# Altium PCB Apalis-Smart-Vision-Baseboard.PcbDoc (part 2 of 6)
Units mm, origin at the board's own origin, x right, y up, seen from the top; angles counter-clockwise.
Board outline 100 x 70 mm, 4 copper layers (Top Layer, Power Plane, Ground Plane, Bottom Layer), stack 1.52 mm thick; 202 components, 197 nets, 1190 pads, 441 vias.
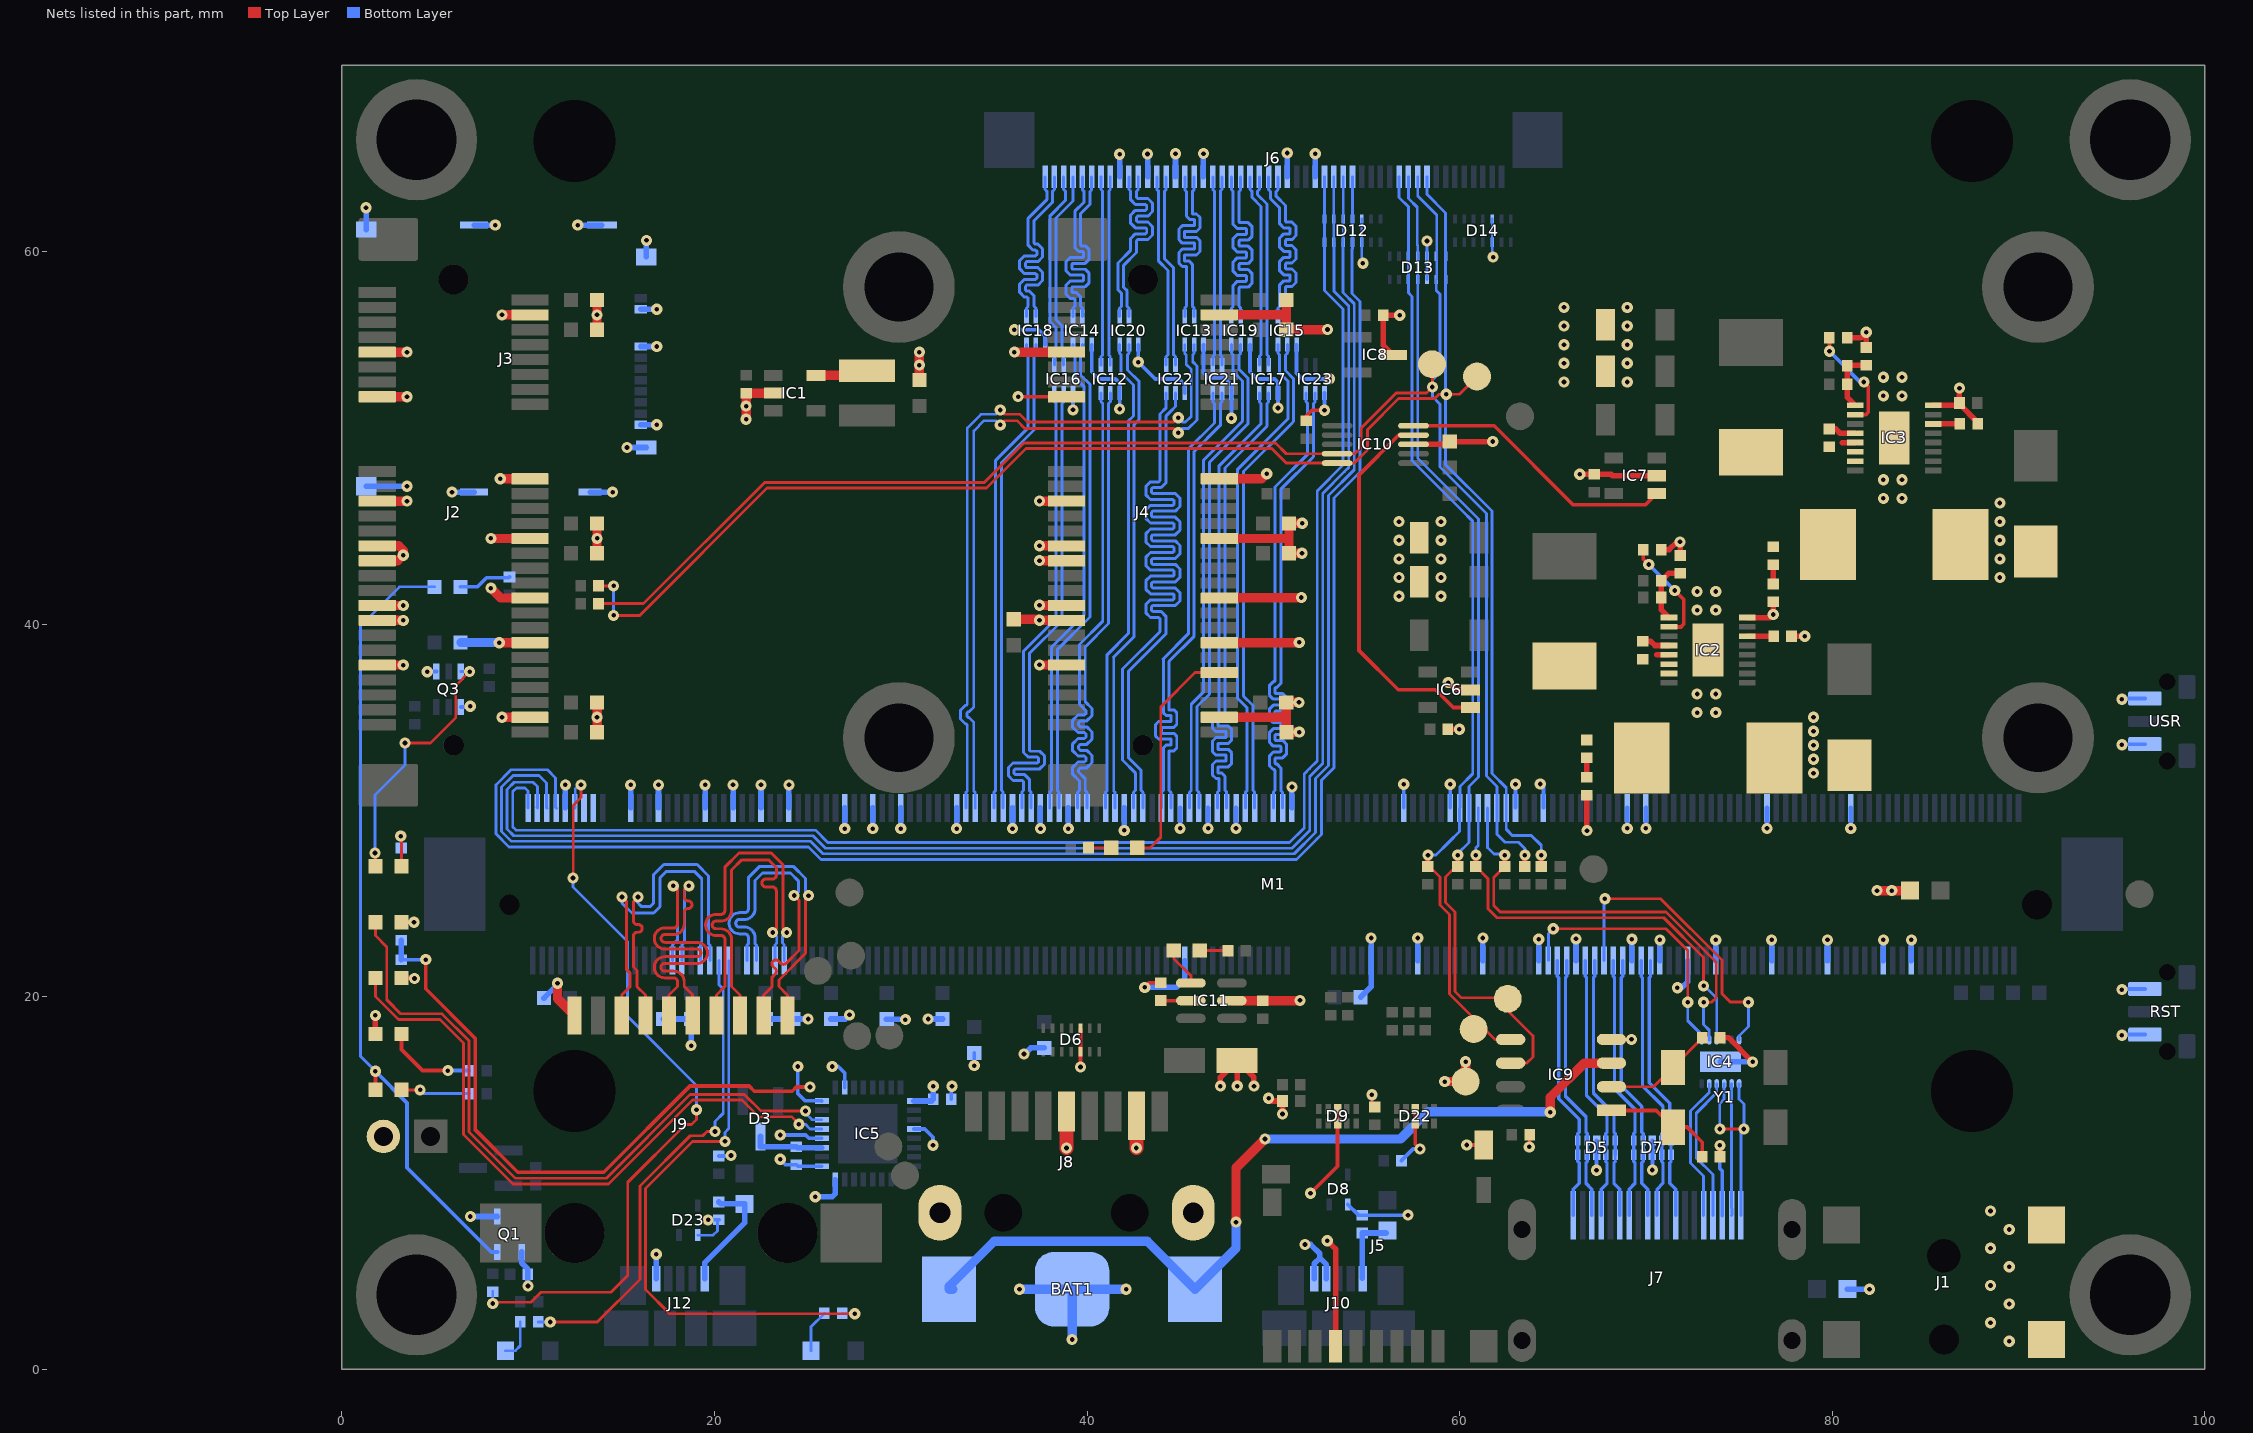
[diagram p4: the nets of this part, all layers, seen from the top]

## Via types
v1: diameter 0.6, hole 0.25, Top Layer to Bottom Layer, tented both sides, 440 vias
v2: diameter 0.6, hole 0.25, Top Layer to Bottom Layer, 1 vias

## Nets (pads, with @x,y where several pads share a name; then routed paths per layer and width w, separated by ;. In a path a pad name is that pad's centre, name@x,y a point inside that pad or via, vN(x,y) a via of type N, cw(c..) or ccw(c..) an arc to the next point about the centre after c; other vN are vias at no path point) (continued)
CSI1_CLK_N: IC23.5 M1.161 | length 26.3
  Bottom Layer w0.16: M1.161@50,30.136 50,30.97 50.095,31.065 50.095,32.154 50.06,32.189 50,32.189 49.783,32.406 49.783,32.913 50,33.129 50.372,33.129 50.407,33.165 50.407,33.414 50.372,33.449 50,33.449 49.783,33.666 49.783,34.173 50,34.389 50.372,34.389 50.407,34.425 50.407,34.674 50.372,34.709 50,34.709 49.783,34.926 49.783,35.433 50,35.649 50.372,35.649 50.407,35.685 50.407,35.934 50.372,35.969 50,35.969 49.783,36.186 49.783,36.693 50,36.909 50.06,36.909 50.095,36.945 50.095,47.365 51.845,49.115 51.845,51.845 51.75,51.94 IC23.5@51.75,52.4
CSI1_CLK_P: IC23.4 M1.163 | length 26.3
  Bottom Layer w0.16: M1.163@50.5,30.136 50.5,30.97 50.405,31.065 50.405,32.283 50.188,32.499 50.128,32.499 50.093,32.535 50.093,32.784 50.128,32.819 50.5,32.819 50.717,33.036 50.717,33.543 50.5,33.759 50.128,33.759 50.093,33.795 50.093,34.044 50.128,34.079 50.5,34.079 50.717,34.296 50.717,34.803 50.5,35.019 50.128,35.019 50.093,35.055 50.093,35.304 50.128,35.339 50.5,35.339 50.717,35.556 50.717,36.063 50.5,36.279 50.128,36.279 50.093,36.315 50.093,36.564 50.128,36.599 50.188,36.599 50.405,36.816 50.405,47.237 52.155,48.987 52.155,51.845 52.25,51.94 IC23.4@52.25,52.4
CSI1_D1_C_N: IC15.1 J6.25 | length 10.3
  Bottom Layer w0.16: J6.25@49.75,64.01 49.75,63.319 49.845,63.224 49.845,62.838 50.345,62.338 50.345,61.485 50.562,61.268 50.872,61.268 50.907,61.233 50.907,60.983 50.872,60.948 50.562,60.948 50.345,60.731 50.345,60.225 50.562,60.008 50.872,60.008 50.907,59.973 50.907,59.723 50.872,59.688 50.562,59.688 50.345,59.471 50.345,58.965 50.562,58.748 50.872,58.748 50.907,58.713 50.907,58.463 50.872,58.428 50.562,58.428 50.345,58.211 50.345,57.064 50.25,56.969 IC15.1@50.25,56.5
CSI1_D1_C_P: IC15.2 J6.26 | length 10.3
  Bottom Layer w0.16: J6.26@50.25,64.01 50.25,63.319 50.155,63.224 50.155,62.966 50.655,62.466 50.655,61.613 50.69,61.578 51,61.578 51.217,61.361 51.217,60.855 51,60.638 50.69,60.638 50.655,60.603 50.655,60.353 50.69,60.318 51,60.318 51.217,60.101 51.217,59.595 51,59.378 50.69,59.378 50.655,59.343 50.655,59.093 50.69,59.058 51,59.058 51.217,58.841 51.217,58.335 51,58.118 50.69,58.118 50.655,58.083 50.655,57.064 50.75,56.969 IC15.2@50.75,56.5
CSI1_D1_N: IC15.5 M1.155 | length 26.4
  Bottom Layer w0.16: M1.155@48.5,30.136 48.5,30.97 48.595,31.065 48.595,35.497 48.09,36.002 48.09,48.315 50.78,51.005 50.78,53.045 50.345,53.48 50.345,54.445 50.25,54.54 IC15.5@50.25,55
CSI1_D1_P: IC15.4 M1.157 | length 26.4
  Bottom Layer w0.16: M1.157@49,30.136 49,30.97 48.905,31.065 48.905,35.625 48.4,36.13 48.4,48.187 51,50.787 51.09,50.877 51.09,53.173 50.655,53.608 50.655,54.445 50.75,54.54 IC15.4@50.75,55
CSI1_D2_C_N: IC17.1 J6.23 | length 10.4
  Bottom Layer w0.16: J6.23@48.75,64.01 48.75,63.33 48.845,63.235 48.845,62.922 49.345,62.422 49.345,54.455 49.25,54.36 IC17.1@49.25,53.9
CSI1_D2_C_P: IC17.2 J6.24 | length 10.4
  Bottom Layer w0.16: J6.24@49.25,64.01 49.25,63.33 49.155,63.235 49.155,63.05 49.655,62.55 49.655,54.455 49.75,54.36 IC17.2@49.75,53.9
CSI1_D2_N: IC17.5 M1.149 | length 26.2
  Bottom Layer w0.16: M1.149@47,30.136 47,30.985 47.095,31.08 47.095,31.703 ; 47.091,31.707 46.918,31.707 46.733,31.892 46.733,32.461 46.918,32.647 47.453,32.647 ; 47.091,35.167 46.918,35.167 46.733,34.981 46.733,34.412 46.918,34.227 47.453,34.227 ; 47.095,35.17 47.095,48.505 49.345,50.755 49.345,51.845 49.25,51.94 IC17.5@49.25,52.4 ; 47.453,32.967 46.918,32.967 46.733,33.152 46.733,33.721 46.918,33.907 47.453,33.907 ; 47.457,32.651 47.457,32.963 ; 47.457,33.91 47.457,34.223
CSI1_D2_P: IC17.4 M1.151 | length 26.2
  Bottom Layer w0.16: 47.043,32.021 47.043,32.333 ; 47.043,33.28 47.043,33.593 ; 47.043,34.54 47.043,34.853 ; 47.047,32.017 47.22,32.017 47.405,31.832 47.405,31.08 47.5,30.985 M1.151@47.5,30.136 ; 47.047,32.337 47.582,32.337 47.767,32.522 47.767,33.091 47.582,33.277 47.047,33.277 ; 47.047,33.597 47.582,33.597 47.767,33.782 47.767,34.351 47.582,34.537 47.047,34.537 ; 47.047,34.857 47.22,34.857 47.405,35.042 47.405,48.377 49.655,50.627 49.655,51.845 49.75,51.94 IC17.4@49.75,52.4
CSI1_D3_C_N: IC19.1 J6.21 | length 11
  Bottom Layer w0.16: IC19.1@47.75,56.5 47.75,56.969 47.845,57.064 47.845,58.182 48.062,58.399 48.522,58.399 48.557,58.434 48.557,58.684 48.522,58.719 48.062,58.719 47.845,58.936 47.845,59.442 48.062,59.659 48.522,59.659 48.557,59.694 48.557,59.944 48.522,59.979 48.062,59.979 47.845,60.196 47.845,60.702 48.062,60.919 48.522,60.919 48.557,60.954 48.557,61.204 48.522,61.239 48.062,61.239 47.845,61.456 47.845,63.224 47.75,63.319 J6.21@47.75,64.01
CSI1_D3_C_P: IC19.2 J6.22 | length 11
  Bottom Layer w0.16: IC19.2@48.25,56.5 48.25,56.969 48.155,57.064 48.155,58.054 48.19,58.089 48.65,58.089 48.867,58.306 48.867,58.812 48.65,59.029 48.19,59.029 48.155,59.064 48.155,59.314 48.19,59.349 48.65,59.349 48.867,59.566 48.867,60.072 48.65,60.289 48.19,60.289 48.155,60.324 48.155,60.574 48.19,60.609 48.65,60.609 48.867,60.826 48.867,61.332 48.65,61.549 48.19,61.549 48.155,61.584 48.155,63.224 48.25,63.319 J6.22@48.25,64.01
CSI1_D3_N: IC19.5 M1.143 | length 26.3
  Bottom Layer w0.16: M1.143@45.5,30.136 45.5,30.97 45.595,31.065 45.595,35.703 46.26,36.368 46.26,48.81 48.34,50.89 48.34,53.051 47.845,53.546 47.845,54.445 47.75,54.54 IC19.5@47.75,55
CSI1_D3_P: IC19.4 M1.145 | length 26.3
  Bottom Layer w0.16: M1.145@46,30.136 46,30.97 45.905,31.065 45.905,35.575 46.57,36.24 46.57,48.682 48.65,50.762 48.65,53.18 48.155,53.675 48.155,54.445 48.25,54.54 IC19.4@48.25,55
CSI1_D4_C_N: IC21.1 J6.19 | length 10.2
  Bottom Layer w0.16: IC21.1@46.75,53.9 46.75,54.36 46.845,54.455 46.845,63.235 46.75,63.33 J6.19@46.75,64.01
CSI1_D4_C_P: IC21.2 J6.20 | length 10.2
  Bottom Layer w0.16: IC21.2@47.25,53.9 47.25,54.36 47.155,54.455 47.155,63.235 47.25,63.33 J6.20@47.25,64.01
CSI1_D4_N: IC21.5 M1.137 | length 25.6
  Bottom Layer w0.16: M1.137@44,30.136 44,30.97 44.095,31.065 44.095,33.356 44.249,33.51 44.507,33.51 44.507,33.83 43.837,33.83 43.683,33.984 43.683,34.616 43.837,34.77 44.507,34.77 44.507,35.09 44.249,35.09 44.095,35.244 44.095,38.123 44.09,38.128 45.44,39.478 45.44,49.395 46.845,50.8 46.845,51.845 46.75,51.94 IC21.5@46.75,52.4
CSI1_D4_P: IC21.4 M1.139 | length 25.6
  Bottom Layer w0.16: M1.139@44.5,30.136 44.5,30.97 44.405,31.065 44.405,33.2 44.663,33.2 44.817,33.354 44.817,33.986 44.663,34.14 43.993,34.14 43.993,34.46 44.663,34.46 44.817,34.614 44.817,35.246 44.663,35.4 44.405,35.4 44.405,38.005 45.75,39.35 45.75,49.267 47.155,50.672 47.155,51.845 47.25,51.94 IC21.4@47.25,52.4
CSI2_CLK_C_N: IC22.1 J6.13 | length 10.4
  Bottom Layer w0.16: J6.13@43.75,64.01 43.75,63.33 43.845,63.235 43.845,59.481 44.345,58.981 44.345,54.455 44.25,54.36 IC22.1@44.25,53.9
CSI2_CLK_C_P: IC22.2 J6.14 | length 10.4
  Bottom Layer w0.16: J6.14@44.25,64.01 44.25,63.33 44.155,63.235 44.155,59.61 44.655,59.11 44.655,54.455 44.75,54.36 IC22.2@44.75,53.9
CSI2_CLK_N: IC22.5 M1.131 | length 38.1
  Bottom Layer w0.16: M1.131@42.5,30.136 42.5,30.97 42.595,31.065 42.595,32.02 41.91,32.705 41.91,37.588 43.917,39.595 43.917,39.963 43.917,40.293 43.85,40.359 43.405,40.359 43.155,40.61 43.155,41.056 43.405,41.306 44.612,41.306 44.679,41.373 44.679,41.56 44.612,41.626 43.405,41.626 43.155,41.876 43.155,42.323 43.405,42.573 44.612,42.573 44.679,42.64 44.679,42.827 44.612,42.893 43.405,42.893 43.155,43.143 43.155,43.59 43.405,43.84 44.612,43.84 44.679,43.906 44.679,44.093 44.612,44.16 43.405,44.16 43.155,44.41 43.155,44.857 43.405,45.107 44.612,45.107 44.679,45.173 44.679,45.36 44.612,45.427 43.405,45.427 43.155,45.677 43.155,46.123 43.405,46.373 44.612,46.373 44.679,46.44 44.679,46.627 44.612,46.693 43.405,46.693 43.155,46.944 43.155,47.39 43.405,47.64 43.85,47.64 43.917,47.707 43.917,51.28 44.25,51.613 IC22.5@44.25,52.4
CSI2_CLK_P: IC22.4 M1.133 | length 38.2
  Bottom Layer w0.16: M1.133@43,30.136 43,30.97 42.905,31.065 42.905,32.148 42.22,32.833 42.22,37.46 44.23,39.47 44.23,39.878 44.23,39.963 44.23,40.423 43.98,40.673 43.535,40.673 43.468,40.739 43.468,40.926 43.535,40.993 44.742,40.993 44.992,41.243 44.992,41.69 44.742,41.94 43.535,41.94 43.468,42.006 43.468,42.193 43.535,42.26 44.742,42.26 44.992,42.51 44.992,42.956 44.742,43.206 43.535,43.206 43.468,43.273 43.468,43.46 43.535,43.526 44.742,43.526 44.992,43.777 44.992,44.223 44.742,44.473 43.535,44.473 43.468,44.54 43.468,44.727 43.535,44.793 44.742,44.793 44.992,45.043 44.992,45.49 44.742,45.74 43.535,45.74 43.468,45.807 43.468,45.994 43.535,46.06 44.742,46.06 44.992,46.31 44.992,46.757 44.742,47.007 43.535,47.007 43.468,47.073 43.468,47.26 43.535,47.327 43.98,47.327 44.23,47.577 44.23,51.155 44.469,51.394 44.75,51.675 IC22.4@44.75,52.4
CSI2_D1_C_N: IC13.1 J6.16 | length 10.3
  Bottom Layer w0.16: IC13.1@45.25,56.5 45.25,56.969 45.345,57.064 45.345,59.186 ; J6.16@45.25,64.01 45.25,63.319 45.345,63.224 45.345,61.895 45.53,61.71 45.753,61.71 ; 45.341,59.19 45.118,59.19 44.933,59.375 44.933,59.944 45.118,60.13 45.753,60.13 ; 45.753,60.45 45.118,60.45 44.933,60.635 44.933,61.204 45.118,61.39 45.753,61.39 ; 45.757,60.133 45.757,60.446 ; 45.757,61.393 45.757,61.706
CSI2_D1_C_P: IC13.2 J6.17 | length 10.3
  Bottom Layer w0.16: 45.243,59.503 45.243,59.816 ; 45.243,60.763 45.243,61.076 ; 45.247,59.5 45.47,59.5 45.655,59.314 45.655,57.064 45.75,56.969 IC13.2@45.75,56.5 ; 45.247,59.82 45.882,59.82 46.067,60.005 46.067,60.574 45.882,60.76 45.247,60.76 ; 45.247,61.08 45.882,61.08 46.067,61.265 46.067,61.834 45.882,62.02 45.659,62.02 ; 45.655,62.023 45.655,63.224 45.75,63.319 J6.17@45.75,64.01
CSI2_D1_N: IC13.5 M1.95 | length 38.1
  Top Layer w0.15: v1(35.34,51.495) 35.565,51.27 36.385,51.27 36.805,50.85 44.44,50.85 ; 44.06,50.85 44.675,50.85 v1(44.9,51.075)
  Bottom Layer w0.15: M1.95@33.5,30.136 33.5,30.97 33.575,31.045 33.575,34.583 33.515,34.643 33.478,34.643 33.213,34.908 33.213,35.378 33.478,35.643 33.515,35.643 33.575,35.703 33.575,50.52 34.223,51.167 34.325,51.27 35.115,51.27 v1(35.34,51.495) ; v1(44.9,51.075) 44.9,51.05 45.1,50.85 45.29,50.85 45.6,51.16 45.6,53.66 45.325,53.935 45.325,54.455 45.25,54.53 IC13.5@45.25,55
CSI2_D1_P: IC13.4 M1.97 | length 38.1
  Top Layer w0.15: v1(35.34,50.695) 35.565,50.92 36.24,50.92 36.66,50.5 44.4,50.5 ; 44.06,50.5 44.675,50.5 v1(44.9,50.275)
  Bottom Layer w0.15: M1.97@34,30.136 34,30.97 33.925,31.045 33.925,34.728 33.66,34.993 33.623,34.993 33.563,35.053 33.563,35.233 33.623,35.293 33.66,35.293 33.925,35.558 33.925,50.375 34.47,50.92 35.115,50.92 v1(35.34,50.695) ; v1(44.9,50.275) 44.9,50.3 45.1,50.5 45.435,50.5 45.9,50.965 45.9,53.855 45.675,54.08 45.675,54.455 45.75,54.53 IC13.4@45.75,55
CSI3_CLK_C_N: IC20.1 J6.10 | length 10.7
  Bottom Layer w0.16: IC20.1@41.75,56.5 41.75,56.96 41.845,57.055 41.845,57.76 41.66,57.945 41.66,59.388 42.345,60.073 42.345,60.701 42.593,60.95 43.14,60.95 43.207,61.016 43.207,61.203 43.14,61.27 42.593,61.27 42.345,61.518 42.345,61.961 42.593,62.21 43.14,62.21 43.207,62.276 43.207,62.463 43.14,62.53 42.593,62.53 42.345,62.778 42.345,63.235 42.25,63.33 J6.10@42.25,64.01
CSI3_CLK_C_P: IC20.2 J6.11 | length 10.7
  Bottom Layer w0.16: IC20.2@42.25,56.5 42.25,56.96 42.155,57.055 42.155,57.888 41.97,58.073 41.97,59.26 42.655,59.945 42.655,60.573 42.722,60.64 43.269,60.64 43.517,60.888 43.517,61.331 43.269,61.58 42.722,61.58 42.655,61.646 42.655,61.833 42.722,61.9 43.269,61.9 43.517,62.148 43.517,62.591 43.269,62.84 42.722,62.84 42.655,62.906 42.655,63.235 42.75,63.33 J6.11@42.75,64.01
CSI3_CLK_N: IC20.5 M1.125 | length 25.8
  Bottom Layer w0.15: M1.125@41,30.136 41,30.97 41.08,31.05 41.08,38.36
  Bottom Layer w0.16: 41.08,38.36 42.22,39.5 42.22,50.9 42.49,51.17 42.49,52.833 41.825,53.498 41.825,54.465 41.75,54.54 IC20.5@41.75,55
CSI3_CLK_P: IC20.4 M1.127 | length 25.8
  Bottom Layer w0.15: 41.43,38.232 41.43,31.04 41.5,30.97 M1.127@41.5,30.136
  Bottom Layer w0.16: 41.43,38.232 42.53,39.332 42.53,50.715 42.8,50.985 42.8,53.02 42.175,53.645 42.175,54.465 42.25,54.54 IC20.4@42.25,55
CSI3_D1_C_N: IC12.1 J6.7 | length 10.2
  Bottom Layer w0.15: IC12.1@40.75,53.9 40.75,54.355 40.825,54.43 40.825,58.7 ; J6.7@40.75,64.01 40.75,63.33 40.825,63.255 40.825,62.79
  Bottom Layer w0.16: 40.825,58.7 40.825,62.79
CSI3_D1_C_P: IC12.2 J6.8 | length 10.2
  Bottom Layer w0.15: 41.175,58.7 41.175,54.43 41.25,54.355 IC12.2@41.25,53.9 ; 41.175,63.02 41.175,63.255 41.25,63.33 J6.8@41.25,64.01
  Bottom Layer w0.16: 41.175,58.7 41.175,63.02
CSI3_D1_N: IC12.5 M1.119 | length 25.7
  Bottom Layer w0.16: M1.119@39.5,30.136 39.5,30.97 39.595,31.065 39.595,31.574 39.233,31.936 39.233,32.316 39.513,32.596 39.859,32.596 39.957,32.694 39.957,32.818 39.859,32.916 39.513,32.916 39.233,33.196 39.233,33.576 39.513,33.856 39.859,33.856 39.957,33.954 39.957,34.078 39.859,34.176 39.513,34.176 39.233,34.456 39.233,34.836 39.513,35.116 39.859,35.116 39.957,35.214 39.957,35.338 39.595,35.7 39.595,38.905 40.845,40.155 40.845,51.845 40.75,51.94 IC12.5@40.75,52.4
CSI3_D1_P: IC12.4 M1.121 | length 25.7
  Bottom Layer w0.16: M1.121@40,30.136 40,30.97 39.905,31.065 39.905,31.702 39.543,32.064 39.543,32.188 39.641,32.286 39.987,32.286 40.267,32.566 40.267,32.946 39.987,33.226 39.641,33.226 39.543,33.324 39.543,33.448 39.641,33.546 39.987,33.546 40.267,33.826 40.267,34.206 39.987,34.486 39.641,34.486 39.543,34.584 39.543,34.708 39.641,34.806 39.987,34.806 40.267,35.086 40.267,35.466 39.905,35.828 39.905,38.777 41.155,40.027 41.155,51.845 41.25,51.94 IC12.4@41.25,52.4
CSI3_D2_C_N: IC14.1 J6.5 | length 10.8
  Bottom Layer w0.16: IC14.1@39.25,56.5 39.25,56.969 39.345,57.064 39.345,57.444 39.31,57.479 39.1,57.479 38.883,57.696 38.883,58.202 39.1,58.419 39.772,58.419 39.807,58.454 39.807,58.704 39.772,58.739 39.1,58.739 38.883,58.956 38.883,59.462 39.1,59.679 39.772,59.679 39.807,59.714 39.807,59.964 39.772,59.999 39.562,59.999 39.345,60.216 39.345,62.16 39.845,62.66 39.845,63.224 39.75,63.319 J6.5@39.75,64.01
CSI3_D2_C_P: IC14.2 J6.6 | length 10.8
  Bottom Layer w0.16: IC14.2@39.75,56.5 39.75,56.969 39.655,57.064 39.655,57.572 39.438,57.789 39.228,57.789 39.193,57.824 39.193,58.074 39.228,58.109 39.9,58.109 40.117,58.326 40.117,58.832 39.9,59.049 39.228,59.049 39.193,59.084 39.193,59.334 39.228,59.369 39.9,59.369 40.117,59.586 40.117,60.092 39.9,60.309 39.69,60.309 39.655,60.344 39.655,62.032 40.155,62.532 40.155,63.224 40.25,63.319 J6.6@40.25,64.01
CSI3_D2_N: IC14.5 M1.113 | length 25.9
  Bottom Layer w0.16: M1.113@38,30.136 38,30.97 38.095,31.065 38.095,38.755 39.851,40.511 39.851,52.741 39.345,53.247 39.345,54.445 39.25,54.54 IC14.5@39.25,55
CSI3_D2_P: IC14.4 M1.115 | length 25.9
  Bottom Layer w0.16: M1.115@38.5,30.136 38.5,30.97 38.405,31.065 38.405,38.627 40.161,40.382 40.161,52.869 39.655,53.375 39.655,54.445 39.75,54.54 IC14.4@39.75,55
CSI3_D3_C_N: IC16.1 J6.3 | length 10.7
  Bottom Layer w0.16: IC16.1@38.25,53.9 38.25,54.36 38.345,54.455 38.345,55.889 38.02,56.214 38.02,61.925 38.845,62.75 38.845,63.235 38.75,63.33 J6.3@38.75,64.01
CSI3_D3_C_P: IC16.2 J6.4 | length 10.7
  Bottom Layer w0.16: IC16.2@38.75,53.9 38.75,54.36 38.655,54.455 38.655,56.017 38.33,56.342 38.33,61.797 39.25,62.717 J6.4@39.25,64.01
CSI3_D3_N: IC16.5 M1.107 | length 25.8
  Bottom Layer w0.16: M1.107@36.5,30.136 36.5,30.97 36.595,31.065 36.595,31.538 36.528,31.605 36.031,31.605 35.783,31.853 35.783,32.297 36.031,32.545 37.34,32.545 37.407,32.612 37.407,32.798 37.34,32.865 36.843,32.865 36.595,33.113 36.595,38.545 38.345,40.295 38.345,51.845 38.25,51.94 IC16.5@38.25,52.4
CSI3_D3_P: IC16.4 M1.109 | length 25.8
  Bottom Layer w0.16: M1.109@37,30.136 37,30.97 36.905,31.065 36.905,31.667 36.657,31.915 36.16,31.915 36.093,31.982 36.093,32.168 36.16,32.235 37.469,32.235 37.717,32.483 37.717,32.927 37.469,33.175 36.972,33.175 36.905,33.242 36.905,38.417 38.655,40.167 38.655,51.845 38.75,51.94 IC16.4@38.75,52.4
CSI3_D4_C_N: IC18.1 J6.1 | length 10.8
  Bottom Layer w0.16: IC18.1@36.75,56.5 36.75,56.969 36.845,57.064 36.845,57.497 36.778,57.564 36.631,57.564 36.383,57.812 36.383,58.256 36.631,58.504 37.24,58.504 37.307,58.571 37.307,58.757 37.24,58.824 36.631,58.824 36.383,59.072 36.383,59.516 36.631,59.764 37.24,59.764 37.307,59.831 37.307,60.017 37.24,60.084 37.093,60.084 36.845,60.332 36.845,61.785 37.845,62.785 37.845,63.235 37.75,63.33 J6.1@37.75,64.01
CSI3_D4_C_P: IC18.2 J6.2 | length 10.8
  Bottom Layer w0.16: IC18.2@37.25,56.5 37.25,56.969 37.155,57.064 37.155,57.626 36.907,57.874 36.76,57.874 36.693,57.941 36.693,58.127 36.76,58.194 37.369,58.194 37.617,58.442 37.617,58.886 37.369,59.134 36.76,59.134 36.693,59.201 36.693,59.387 36.76,59.454 37.369,59.454 37.617,59.702 37.617,60.146 37.369,60.394 37.222,60.394 37.155,60.461 37.155,61.657 38.155,62.657 38.155,63.235 38.25,63.33 J6.2@38.25,64.01
CSI3_D4_N: IC18.5 M1.101 | length 25.7
  Bottom Layer w0.16: M1.101@35,30.136 35,30.97 35.095,31.065 35.095,48.795 36.845,50.545 36.845,54.445 36.75,54.54 IC18.5@36.75,55
CSI3_D4_P: IC18.4 M1.103 | length 25.7
  Bottom Layer w0.16: M1.103@35.5,30.136 35.5,30.97 35.405,31.065 35.405,48.667 37.155,50.417 37.155,54.445 37.25,54.54 IC18.4@37.25,55
DDC_SCL: IC4.11 J7.15 | length 7.8
  Bottom Layer w0.15: J7.15@73.1,8.26 73.1,10.37 72.4,11.07 72.4,13.867 73.4,14.867 IC4.11@73.4,15.325
DDC_SDA: IC4.10 J7.16 | length 7.9
  Bottom Layer w0.15: J7.16@73.6,8.26 73.6,10.45 72.7,11.35 72.7,13.742 73.8,14.842 IC4.10@73.8,15.325
ETH_ACT: M1.42 R27.2 | length 25.8
  Top Layer w0.152: v1@11.46,2.54 13.71,2.54 15.998,4.828 15.998,9.834 18.7,12.536 19.376,12.536 19.6,12.76 v1(20.03,12.76)
  Bottom Layer w0.152: R27.2@10.54,2.54 v1(11.185,2.54) ; v1(20.03,12.76) 20.03,13.3 20.47,13.74 20.47,20.42 20.25,20.64 M1.42@20.25,21.936
ETH_LNK: M1.44 R26.2 | length 32.9
  Top Layer w0.152: 19.194,12.234 18.825,12.234 16.3,9.709 16.3,4.28 17.6,2.98 v1(27.53,2.98) ; 19.226,12.234 v1(20.57,12.234)
  Bottom Layer w0.152: v1(20.57,12.234) 20.57,12.717 20.773,12.92 M1.44@20.773,21.913 ; R26.2@26.865,3 26.885,2.98 v1(27.53,2.98)
ETH_MDI0_N: J9.1 M1.48 | length 17.8
  Top Layer w0.16: J9.1@23.915,18.99 23.915,20.09 23.46,20.545 23.46,20.9 24.893,22.333 24.893,25.267 v1(25.051,25.425)
  Bottom Layer w0.16: M1.48@21.75,21.936 21.75,22.77 21.82,22.84 21.82,23.168 ccw(c21.613,23.168) 21.613,23.375 21.347,23.375 cw(c21.347,23.942) 21.347,24.509 21.613,24.509 ccw(c21.613,24.716) 21.82,24.716 21.82,26.389 22.431,27 24.229,27 24.885,26.344 24.885,25.591 v1(25.051,25.425)
ETH_MDI0_P: J9.2 M1.50 | length 17.8
  Top Layer w0.16: J9.2@22.645,18.99 22.645,20.09 23.1,20.545 23.1,21.049 23.265,21.215 ccw(c23.119,21.361) 23.265,21.507 23.148,21.625 cw(c23.294,21.771) 23.148,21.917 cw(c23.294,21.771) 23.441,21.917 23.558,21.8 ccw(c23.704,21.946) 23.851,21.8 24.533,22.483 24.533,25.177 v1(24.28,25.43)
  Bottom Layer w0.152: v1@24.301,25.425 24.525,25.649
  Bottom Layer w0.16: M1.50@22.25,21.936 22.25,22.77 22.18,22.84 22.18,23.168 ccw(c21.613,23.168) 21.613,23.735 21.347,23.735 cw(c21.347,23.942) 21.347,24.149 21.613,24.149 ccw(c21.613,24.716) 22.18,24.716 22.18,26.24 22.58,26.64 24.08,26.64 24.525,26.195 24.525,25.675 v1(24.28,25.43)
ETH_MDI1_N: J9.3 M1.54 | length 18.3
  Top Layer w0.16: J9.3@21.375,18.99 21.375,20.09 20.92,20.545 20.92,23.08 ccw(c20.353,23.08) 20.353,23.647 20.087,23.647 cw(c20.087,23.854) 20.087,24.061 20.353,24.061 ccw(c20.353,24.628) 20.92,24.628 20.92,26.8 21.47,27.35 22.67,27.35 22.877,27.35 22.9,27.35 23.32,26.93 23.32,26.723 23.32,26.516 cw(c23.113,26.516) 23.113,26.309 22.753,26.309 ccw(c22.753,26.102) 22.546,26.102 ccw(c22.753,26.102) 22.753,25.895 23.113,25.895 cw(c23.113,25.688) 23.32,25.688 23.32,25.37 23.32,23.645 v1(23.125,23.45)
  Bottom Layer w0.152: M1.54@23.25,21.936 23.25,22.778 23.349,22.877 23.349,23.244
ETH_MDI1_P: J9.4 M1.56 | length 18.3
  Top Layer w0.16: J9.4@20.105,18.99 20.105,20.09 20.56,20.545 20.56,23.08 ccw(c20.353,23.08) 20.353,23.287 20.087,23.287 cw(c20.087,23.854) 20.087,24.421 20.353,24.421 ccw(c20.353,24.628) 20.56,24.628 20.56,26.949 21.321,27.71 23.049,27.71 23.505,27.254 23.68,27.079 23.68,25.63 23.68,23.645 v1(23.875,23.45)
  Bottom Layer w0.152: 23.651,23.244 23.651,22.877 23.75,22.778 M1.56@23.75,21.936
ETH_MDI2_N: J9.5 M1.34 | length 18
  Top Layer w0.16: v1@18.59,25.95 18.38,25.74 18.38,25.57 18.38,25.352 ccw(c18.587,25.352) 18.587,25.145 cw(c18.587,24.938) 18.794,24.938 cw(c18.587,24.938) 18.587,24.731 ccw(c18.587,24.524) 18.38,24.524 18.38,24.317 18.38,24.11 18.38,23.901 cw(c17.813,23.901) 17.813,23.334 17.337,23.334 ccw(c17.337,23.127) 17.337,22.92 19.062,22.92 cw(c19.062,22.353) 19.629,22.353 cw(c19.062,22.353) 19.062,21.786 17.337,21.786 ccw(c17.337,21.579) 17.337,21.372 17.813,21.372 cw(c17.813,20.805) 18.38,20.805 18.38,20.545 18.835,20.09 J9.5@18.835,18.99